# Altium PCB PCB_SingleLedRow.PcbDoc (part 1 of 2)
Units mm, origin at the board's own origin, x right, y up, seen from the top; angles counter-clockwise.
Board outline 110 x 81.27 mm, 4 copper layers (GTL, GL2, GL3, GBL), stack 1.543 mm thick; 154 components, 137 nets, 578 pads, 228 vias.
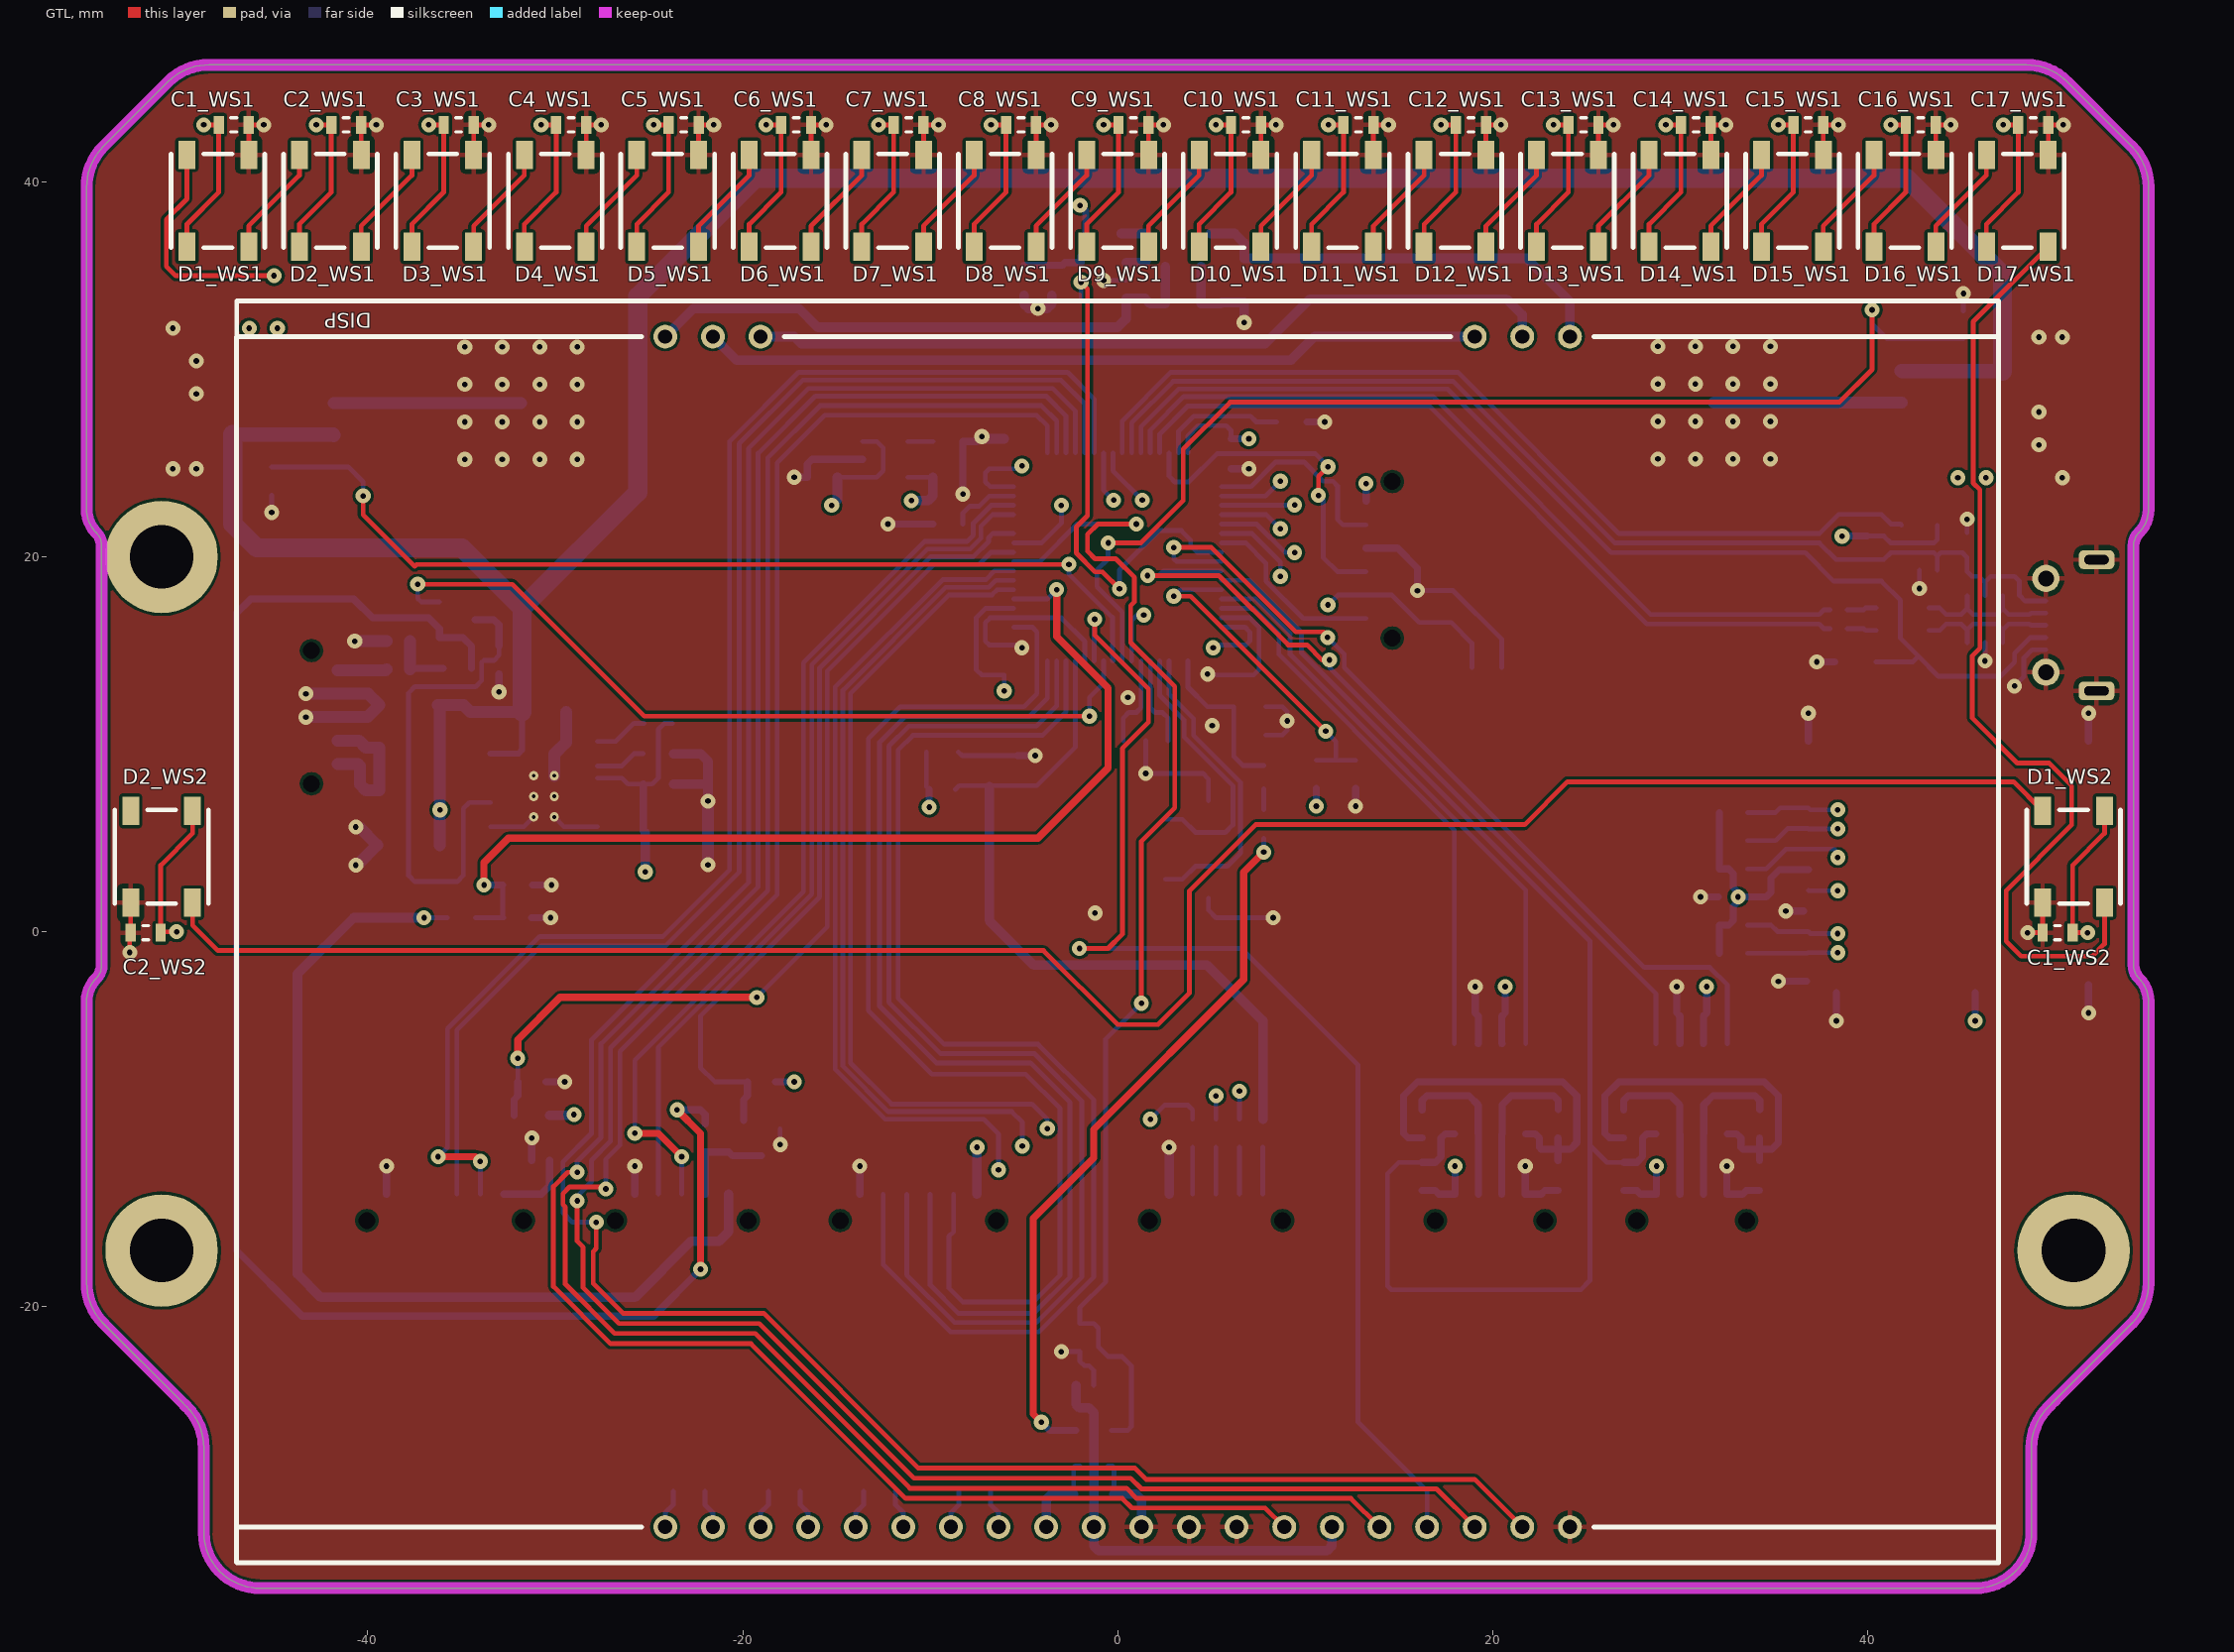
[diagram p0: GTL view]
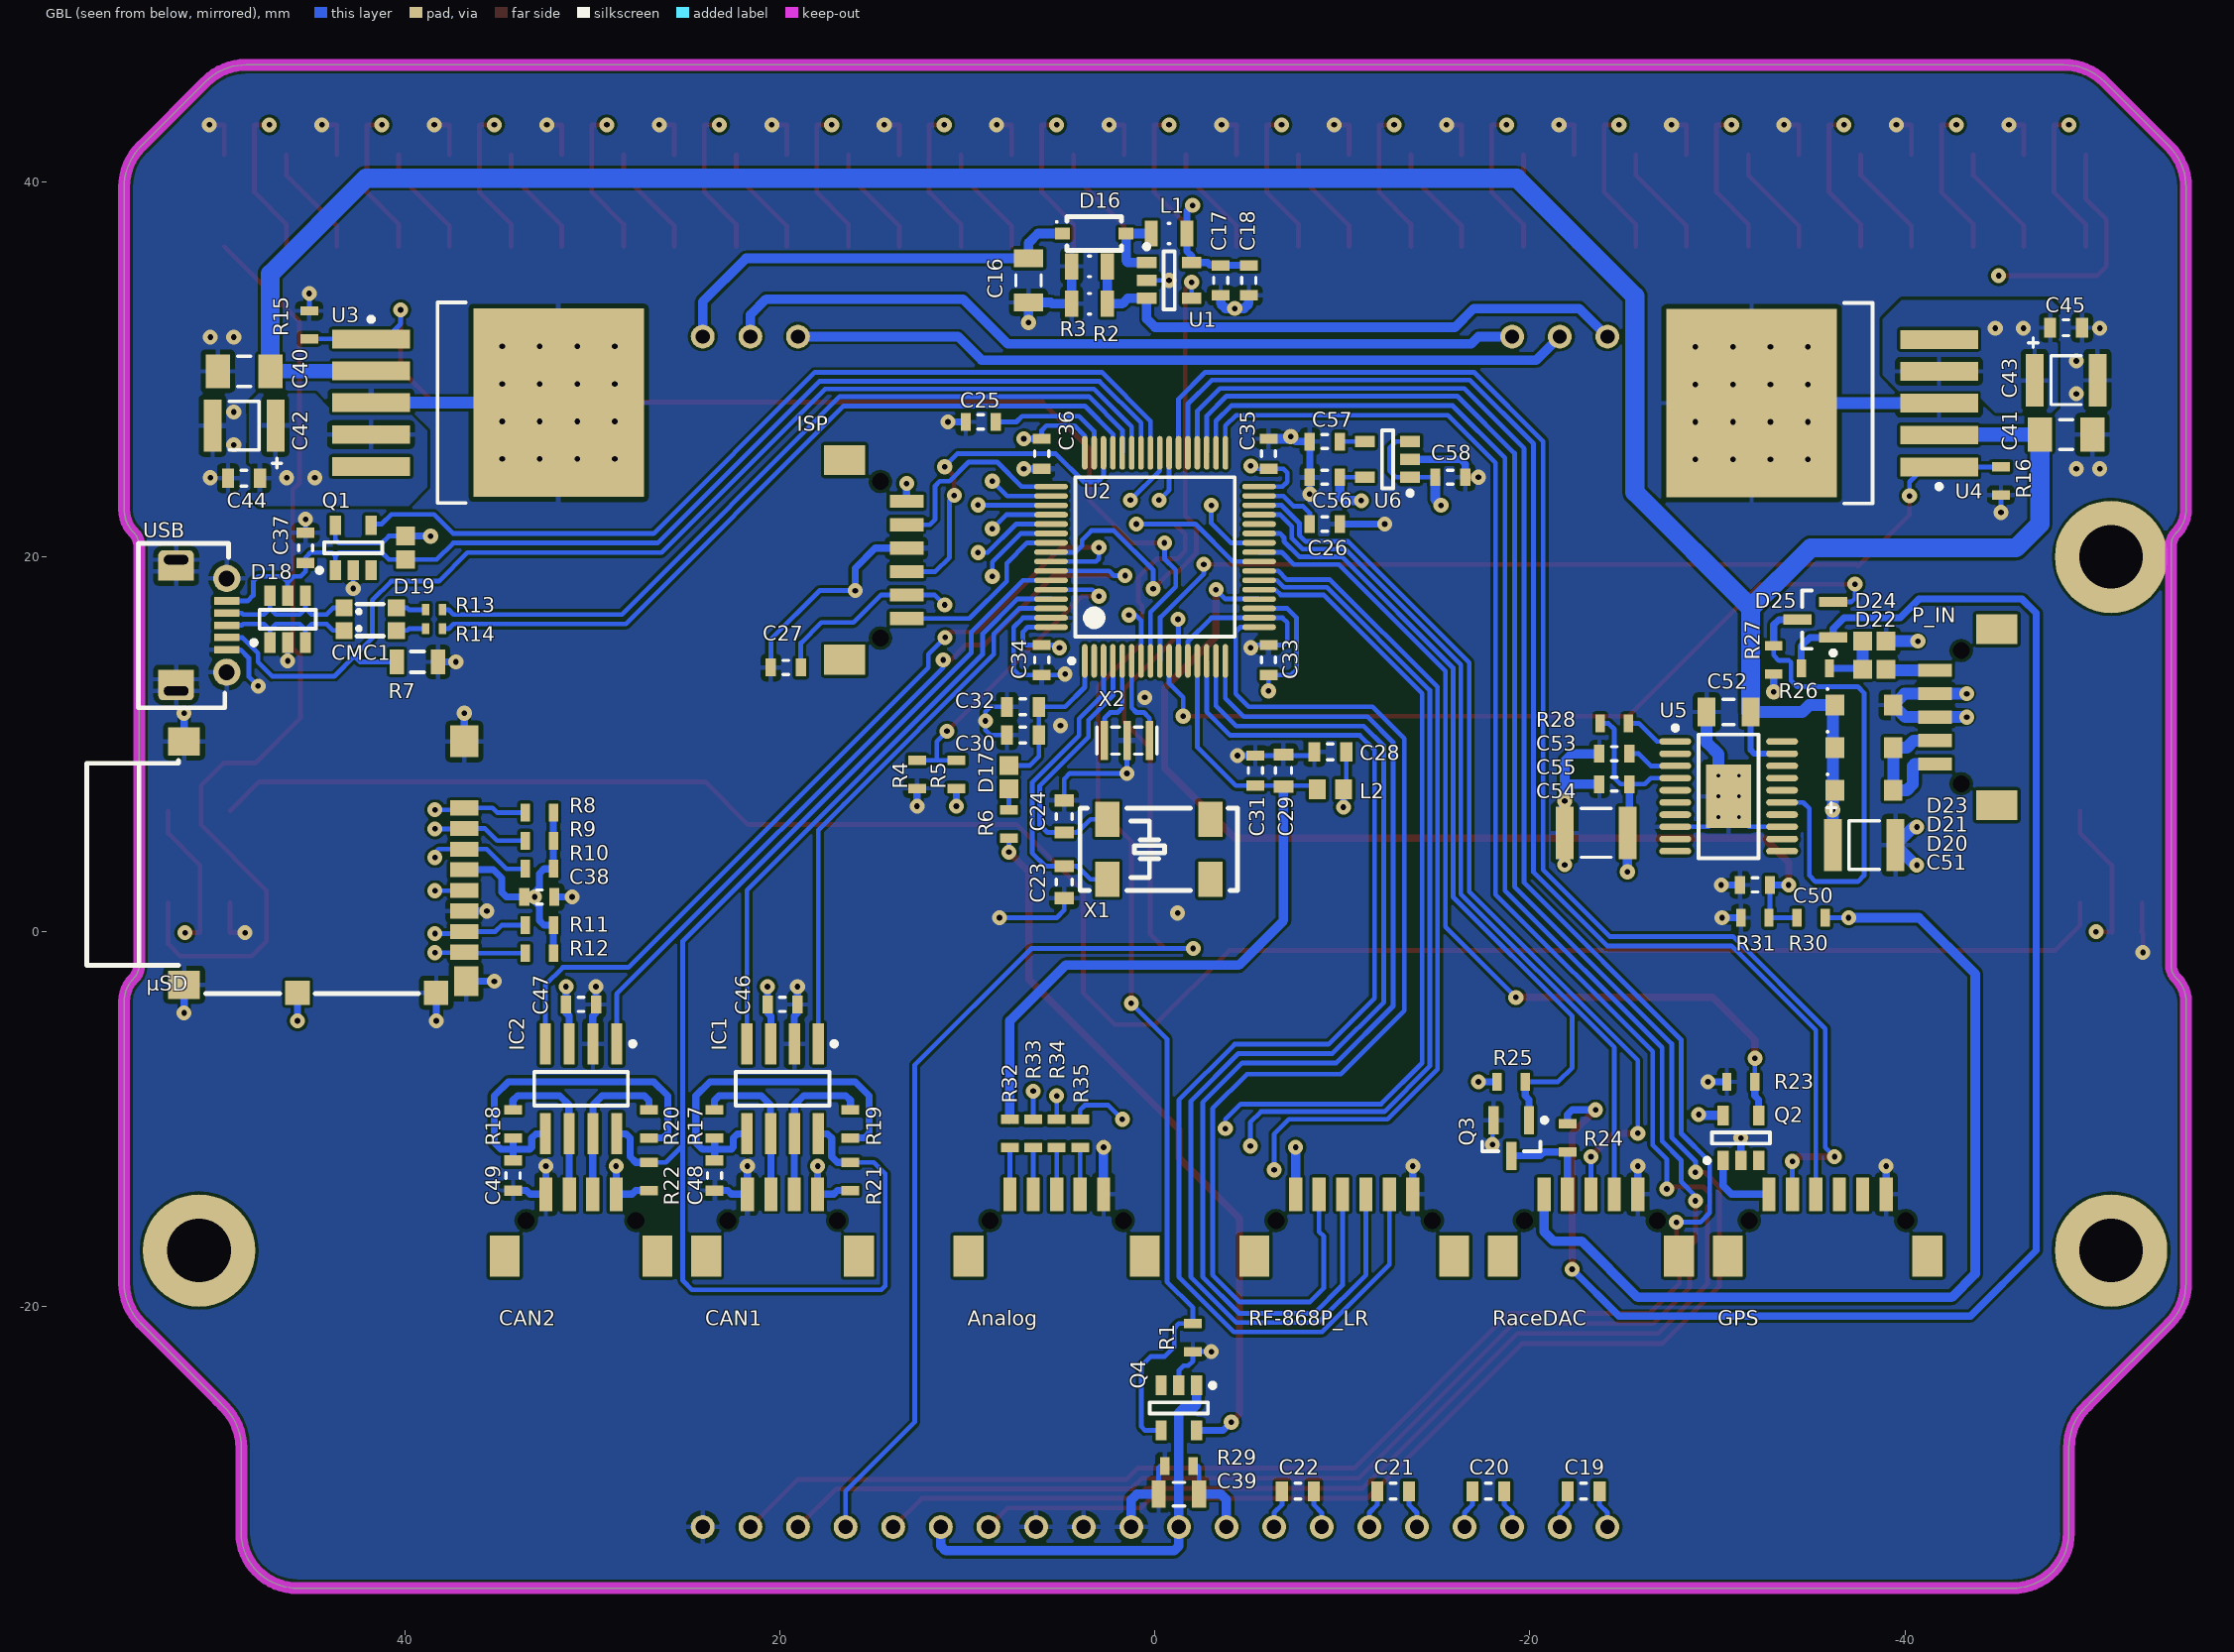
[diagram p1: GBL view, seen from below]
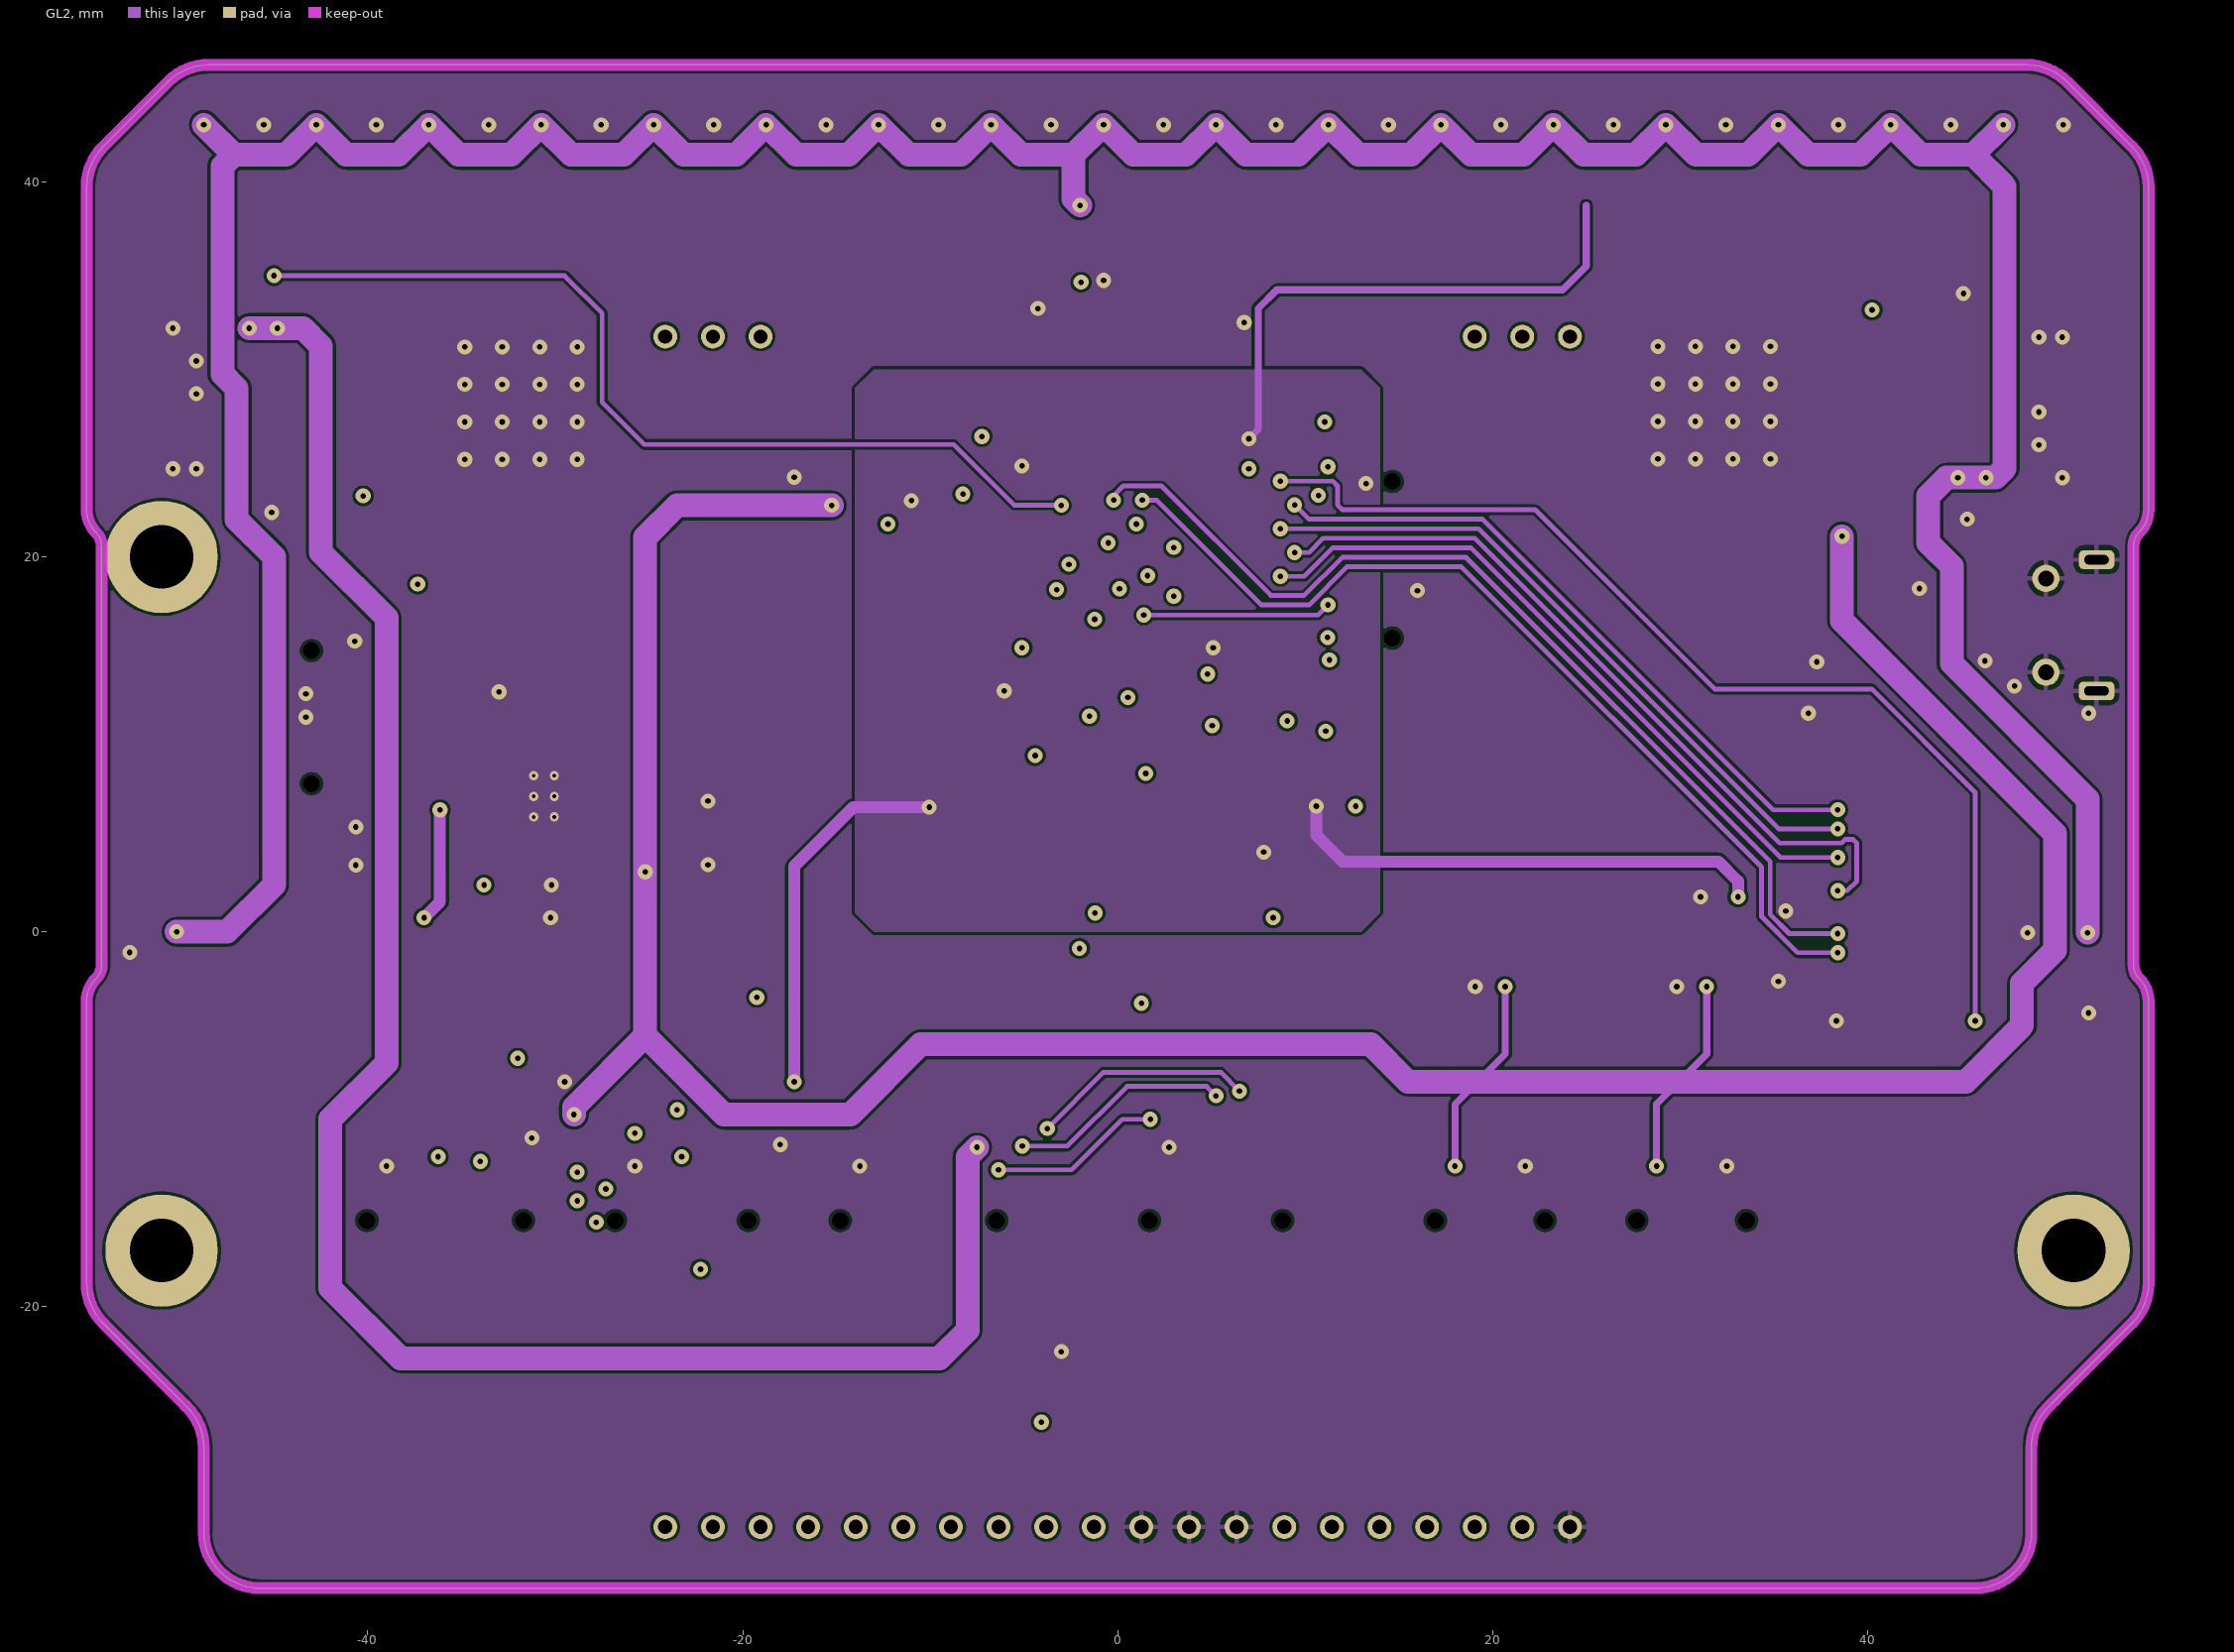
[diagram p2: GL2]
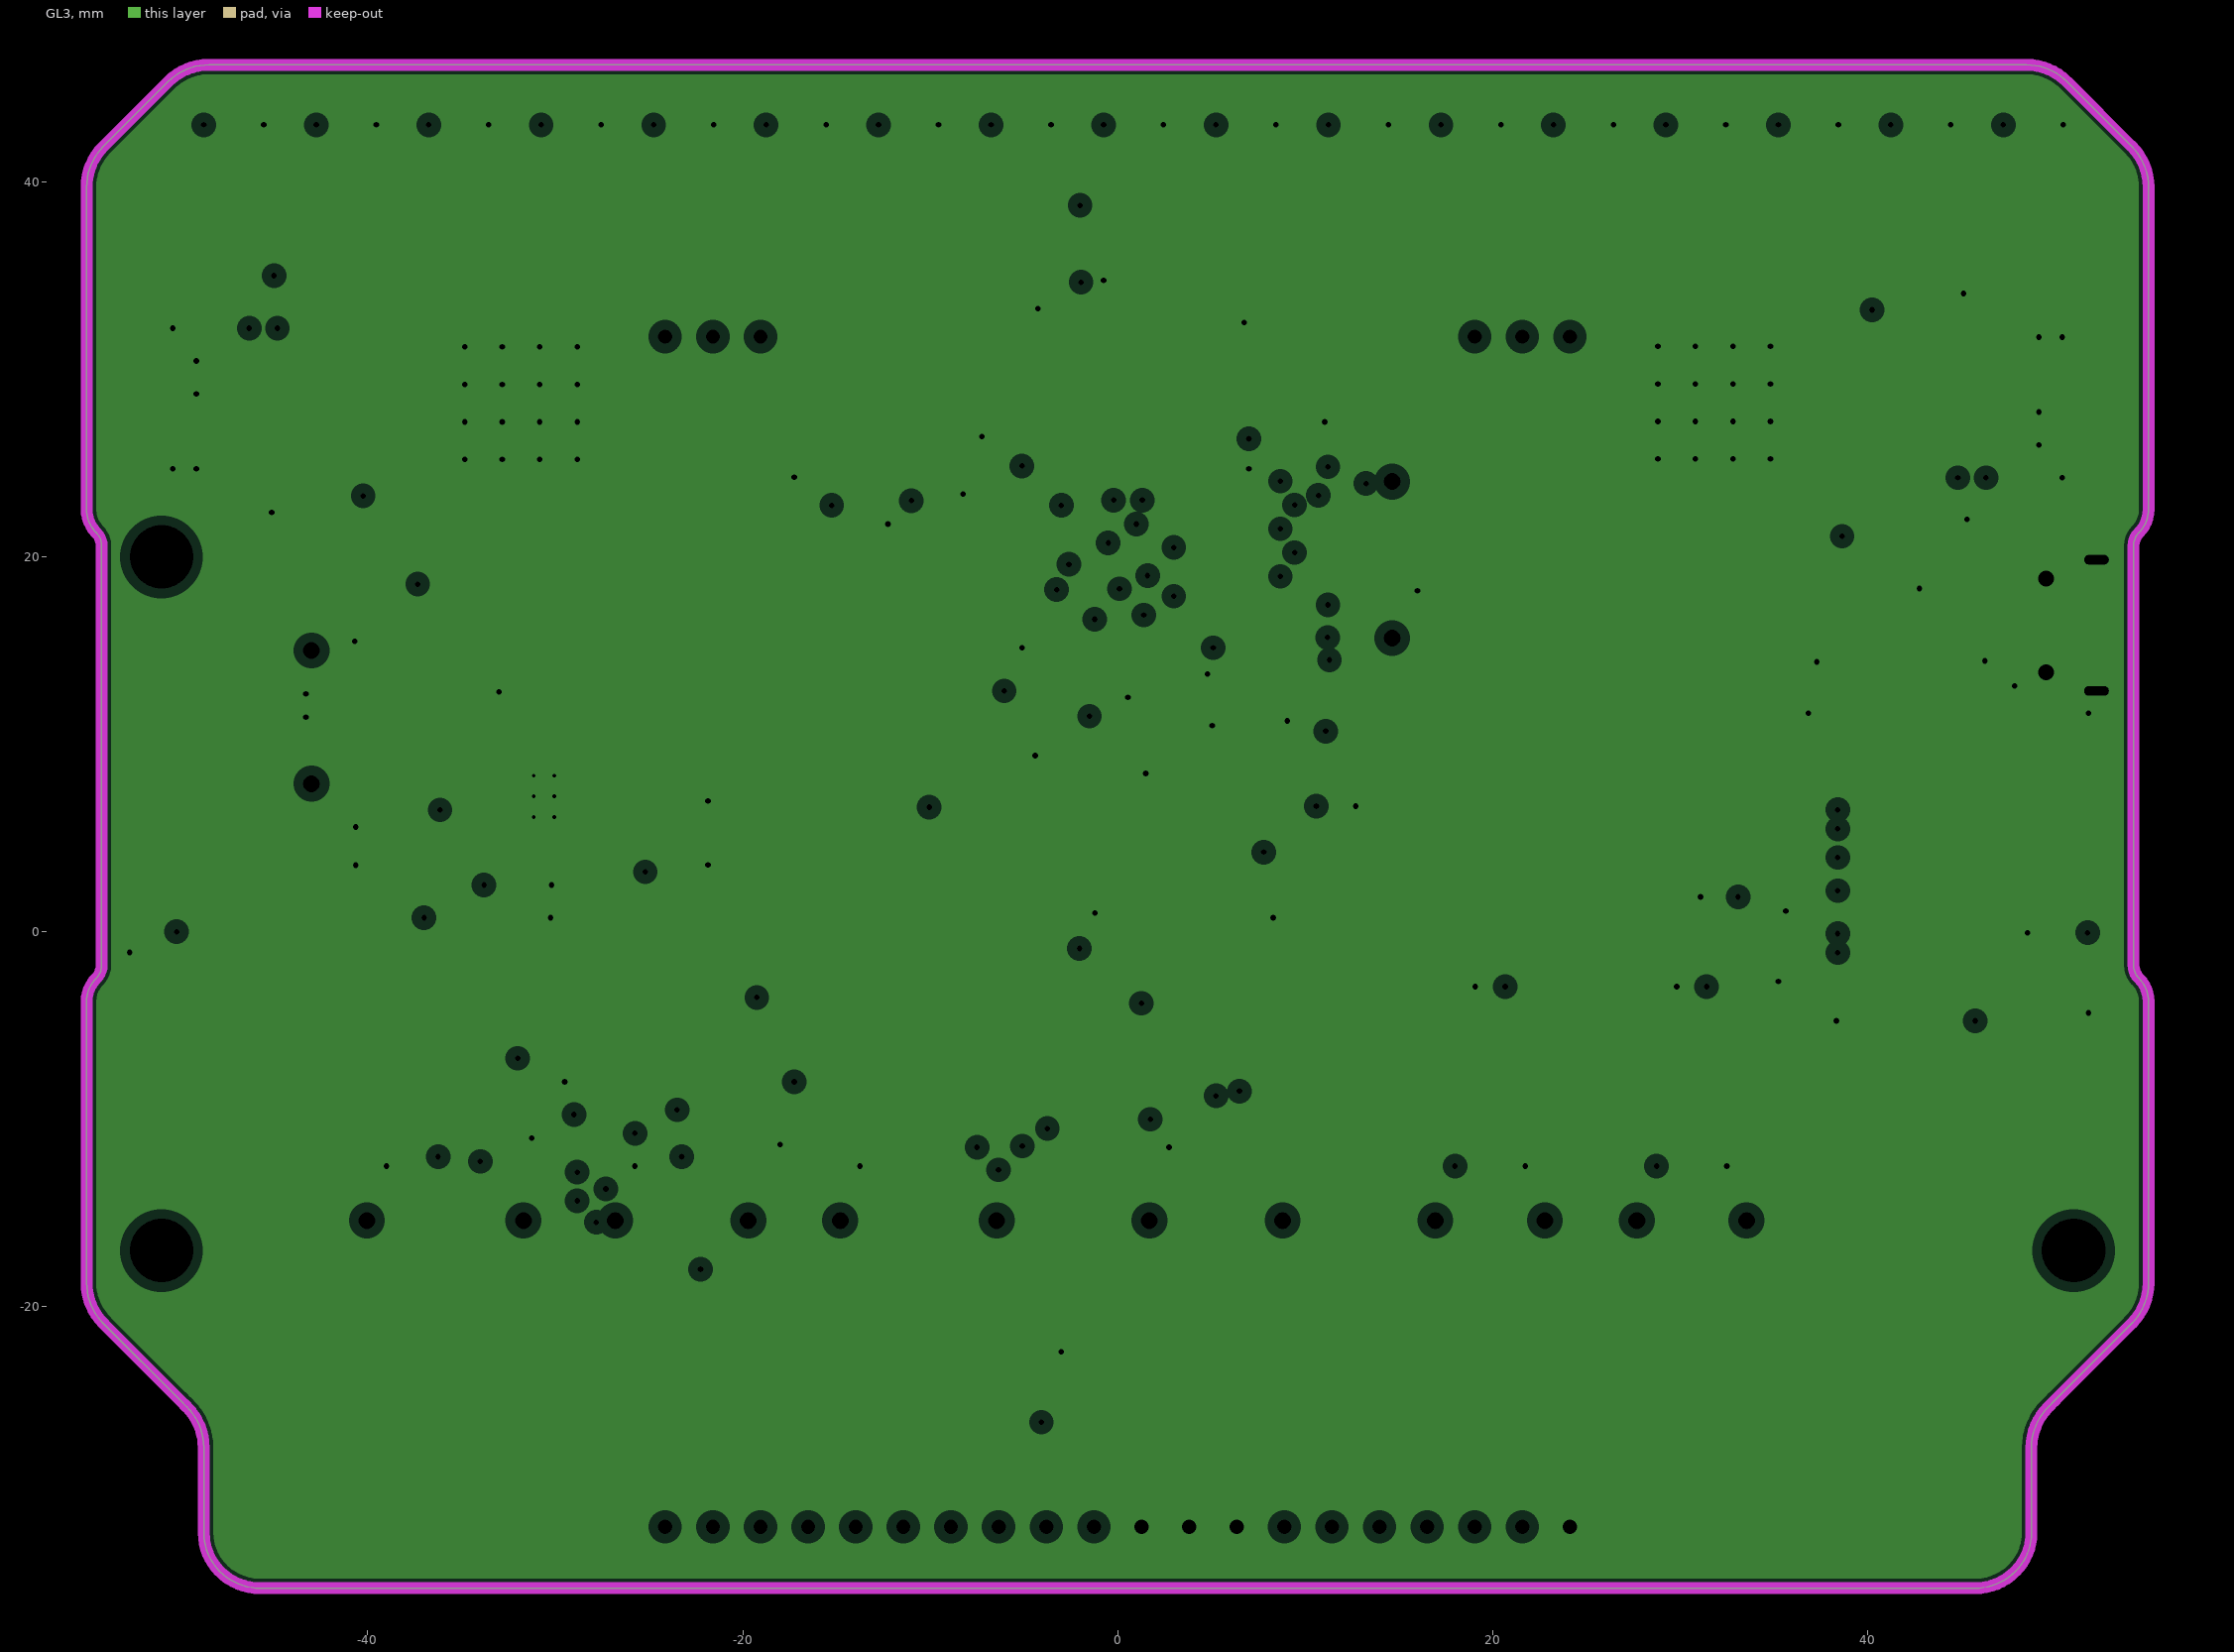
[diagram p3: GL3, clearances drawn from the general rule]
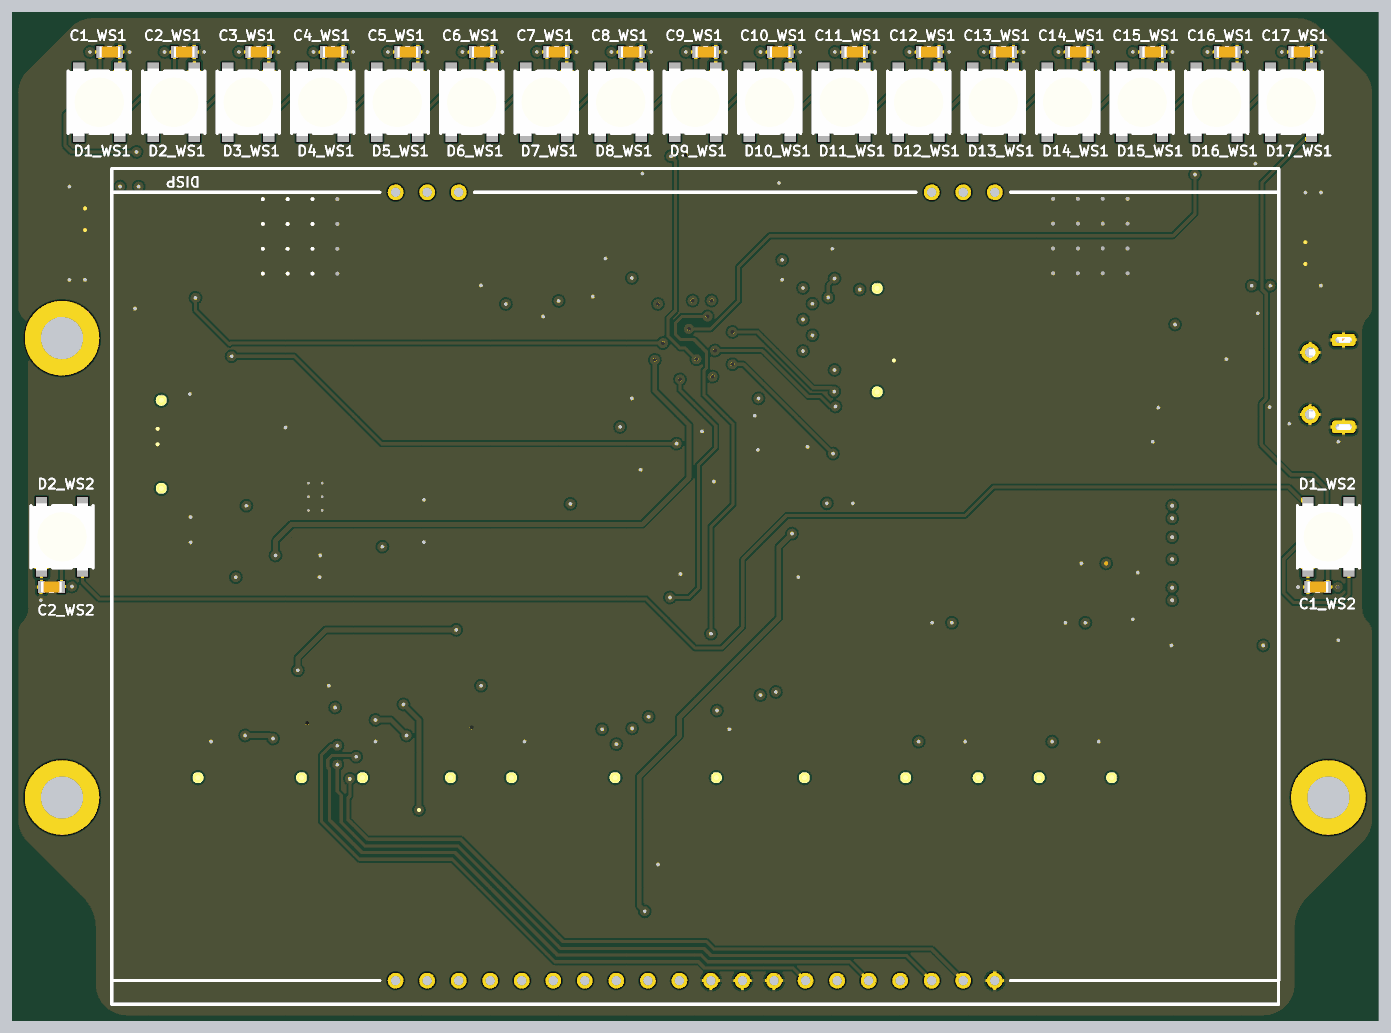
[diagram p5: 3D render of the assembled board from above, using the file's embedded part models]
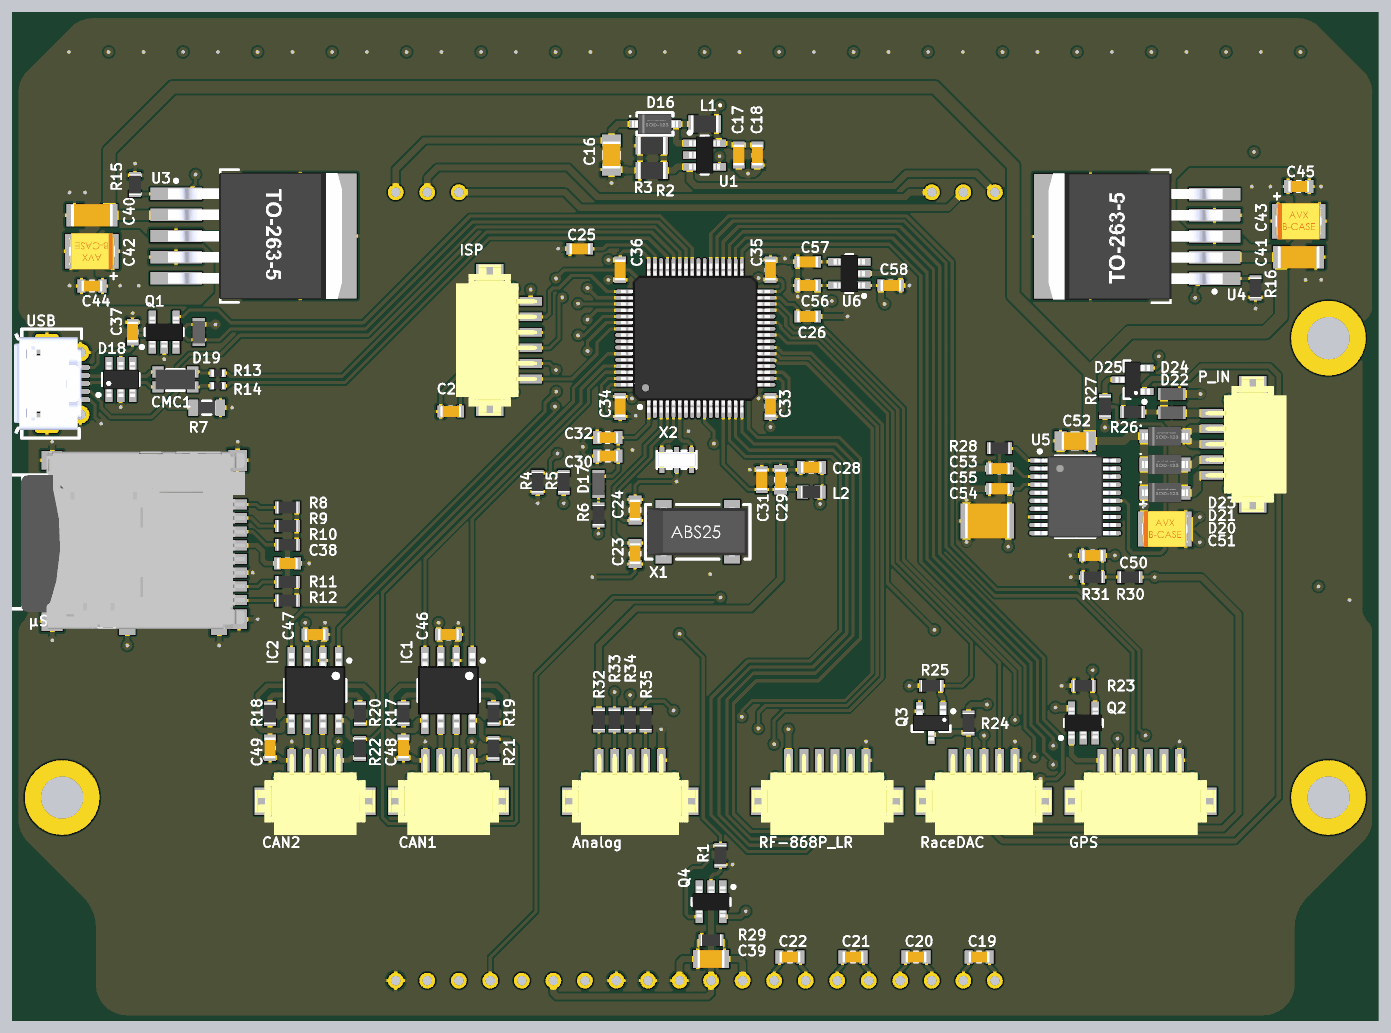
[diagram p6: 3D render of the assembled board from below, using the file's embedded part models]

## Layer stack, top to bottom
GTS: solder mask 0.0102, Solder Resist, Dk 3.5
GTL: signal copper 0.0356
Dielectric 1: core 0.2, FR-4, Dk 4.2
GL2: signal copper 0.036
Dielectric 4: prepreg 1, Dk 4.2
GL3: plane copper 0.036, net GND
Dielectric 3: core 0.2, Dk 4.2
GBL: signal copper 0.0356
GBS: solder mask 0.0102, Solder Resist, Dk 3.5

## Board outline
-54.102,-20.898 cw(c-51.934,-18.73) -55,-18.73 -55,-3.721 cw(c-53.234,-3.721) -54.483,-2.473 ccw(c-55.166,-1.79) -54.2,-1.79 -54.2,20.604 ccw(c-55.166,20.604) -54.483,21.287 cw(c-53.234,22.536) -55,22.536 -55,39.73 cw(c-51.934,39.73) -54.102,41.898 -50.648,45.352 cw(c-48.48,43.184) -48.48,46.25 48.48,46.25 cw(c48.48,43.184) 50.648,45.352 54.102,41.898 cw(c51.934,39.73) 55,39.73 55,22.536 cw(c53.234,22.536) 54.483,21.287 ccw(c55.166,20.604) 54.2,20.604 54.2,-1.79 ccw(c55.166,-1.79) 54.483,-2.473 cw(c53.234,-3.721) 55,-3.721 55,-18.73 cw(c51.934,-18.73) 54.102,-20.898 50,-25 49.648,-25.352 ccw(c51.816,-27.52) 48.75,-27.52 48.75,-32.065 cw(c45.841,-32.065) 47.898,-34.122 cw(c45.73,-31.954) 45.73,-35.02 -45.73,-35.02 cw(c-45.73,-31.954) -47.898,-34.122 cw(c-45.841,-32.065) -48.75,-32.065 -48.75,-27.52 ccw(c-51.816,-27.52) -49.648,-25.352 -50,-25